# KiCad board kup-lulz.kicad_pcb (continued)
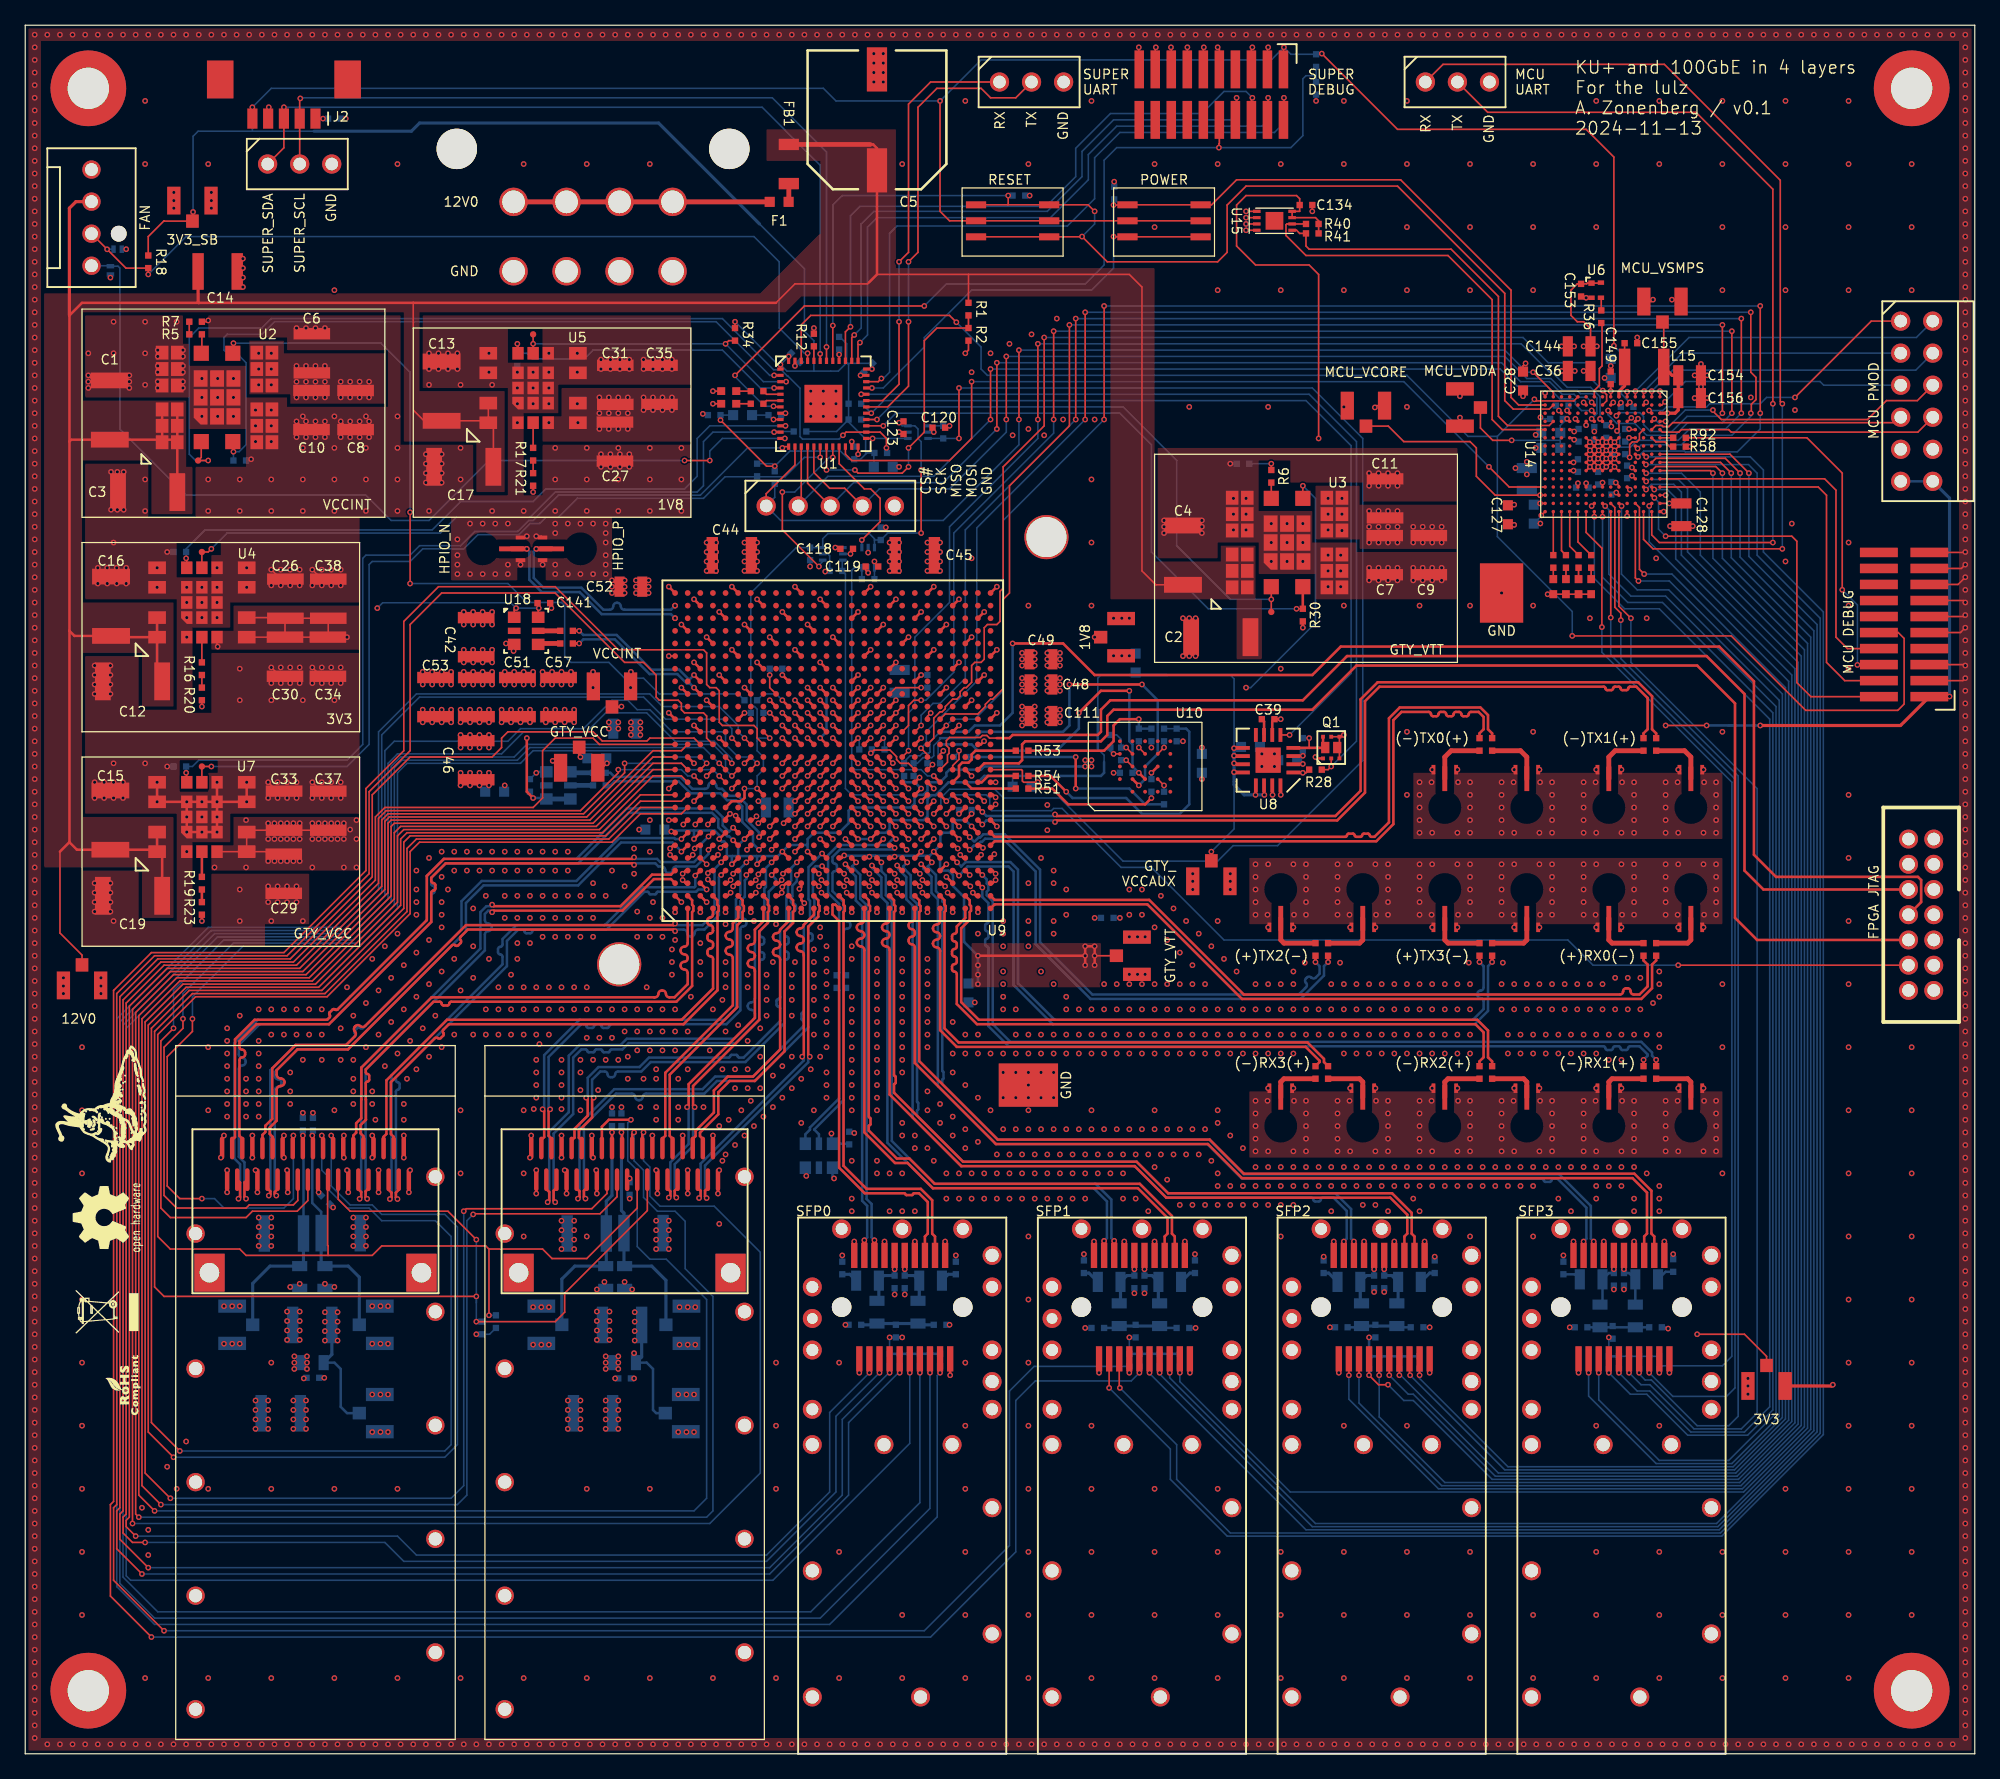
[diagram p0: board, top side]
## Routing (per net, layer and track width the routed paths; a pad name or vN(x,y) marks a point on that pad's centre or on a via; arc(x,y) is an arc through that point) (continued)
  Top w0.125: 6.15,68.4 v1(6.75,69) ; U1.35 v1(66.2,109.25) ; v1(125.95,102) 125.95,102.05 U14.K6 ; v1(125.95,102) U14.G10 ; v1(125.95,102) 126.25,101.7 ; v1(125.95,103.3) 125.95,103.35 U14.H6 v1(124,103.3) U14.K8 U14.H10 v1(125.3,102) ; v1(125.95,103.3) 126.25,103 ; v1(125.95,103.3) U14.G8 ; C48.2 81.9,84.25 v1(82,84.25) ; C48.2 81.9,85.25 v1(82,85.25) ; C48.2 v1(82,84.75) ; D2.1 v1(54.5,107) ; J40.2 v1(39.25,94.25) ; J33.1 v1(123.1,30.2) ; v1(20.5,49) 20.4,48.9 J15.32 ; 57.65,74 v1(57.95,74.3) ; C49.2 81.9,86.25 v1(82,86.25) ; C49.2 v1(82,86.75) ; C49.2 81.9,87.25 v1(82,87.25) ; U1.47 v1(61,110) ; C28.2 118.7,110 v1(118.9,110.2) ; v1(153.75,90.25) 153.63,90.14 J4.11 ; J7.10 v1(111.3,30.2) ; J33.20 v1(122.7,40.6) ; v1(122.75,111.55) C144.2 v1(121.75,111.55) ; J41.17 89.56,135.2 v1(89.6,135.25) ; J15.20 v1(30,49) ; U9.AB13 72.5,79.23 v1(72.76,79.49) ; J33.10 v1(130.3,30.2) ; U14.F6 v1(125.95,103.95) ; v1(125.95,103.95) U14.G7 ; v1(125.95,103.95) 126.25,103.65 ; v1(125.95,103.95) U14.K10 v1(124,102) ; v1(125.95,103.95) 125.65,104.25 ; J41.3 98.44,135.19 v1(98.5,135.25) ; J40.2 39.65,96.4 v1(39.75,96.5) ; v1(125.3,102) 125.3,102.05 U14.K7 v1(124,103.95) ; v1(125.3,102) U14.F8 ; R7.1 14.4,113.5 v1(14.5,113.6) ; v1(120.65,91.9) 120.66,91.91 D8.1 D5.1 ; J41.9 94.64,135.12 v1(94.5,135.25) ; C127.2 117.95,98.95 v1(118,99) ; v1(80.25,77) 79.12,77 79.03,77.1 79.03,77.92 78.95,78 U9.AF12 ; v1(153.75,93.25) 153.18,92.67 J4.15 ; U9.C5 v1(54,70.5) ; 25.6,105 v1(25,105.6) ; J4.9 153.37,88.86 v1(153.75,89.25) ; J4.17 153.44,93.94 v1(153.75,94.25) ; J4.13 153.59,91.41 v1(153.75,91.25) ; D1.1 v1(54.5,108) ; J11.20 v1(65.7,40.6) ; R21.1 v1(40.25,100) ; C111.2 81.9,82.75 v1(82,82.75) ; C111.2 81.9,81.75 v1(82,81.75) ; C111.2 v1(82,82.25) ; J15.13 v1(25.6,44.5) ; U14.M6 122.6,104.3 v1(122.75,104.15) ; v1(38.1,88) 38.67,88 ; 45.5,77.9 v1(46.1,78.5) ; 23.35,85.5 v1(22.75,86.1) ; v1(125.95,102.65) 125.95,102.7 U14.J6 ; v1(125.95,102.65) U14.G9 ; v1(125.95,102.65) 126.25,102.35 ; 19.85,76.4 v1(19.25,77) ; 19.85,68.15 v1(19.25,68.75) ; 6.1,76.4 v1(5.5,77) ; 58.35,74 v1(58.1,73.75) ; v1(66.8,93.6) 66.6,93.8 C119.2 ; J7.11 v1(110.9,40.6) ; 23.35,93.25 v1(22.75,93.85) ; v1(121.75,109.6) C36.2 v1(122.8,109.6) ; v1(129,115.25) 128.85,115.1 TP17.2 ; U14.J7 v1(124.65,103.95) ; U14.F7 v1(124.65,102) U14.J10 U14.K9 v1(124,102.65) U14.G6 v1(125.3,103.95) U14.H7 ; J41.5 97.17,135.18 v1(97.25,135.25) ; J7.1 v1(104.1,30.2) ; U14.H8 v1(125.3,103.3) ; J9.10 v1(92.3,30.2) ; Q1.D2 104.15,79.58 ; C154.2 v1(133.3,109.25) ; C154.2 v1(132.8,110.15) ; C154.2 v1(132.3,109.25) ; 126.3,106.93 v1(126.45,107.09) ; J9.1 v1(85.1,30.2) ; v1(41.7,90.8) 41.6,90.9 C141.2 ; J41.15 90.83,135.22 v1(90.8,135.25) ; v1(113.7,105.9) TP26.2 ; J41.13 92.09,135.25 v1(92.1,135.25) ; v1(38.7,87.4) 38.75,87.45 U18.3 ; U14.K12 v1(123.7,100.7) ; 57.5,71.95 v1(57.2,71.65) ; J7.17 v1(106.1,40.6) ; J15.35 v1(18,49) ; U9.A21 v1(51,87) ; v1(153.75,85.25) 153.56,85.06 J4.3 ; U15.2 v1(96.75,121.75) ; U14.F12 126.3,100.5 v1(126.05,100.75) ; J11.17 v1(68.1,40.6) ; J9.11 v1(91.9,40.6) ; J7.20 v1(103.7,40.6) ; U14.N3 v1(121.54,106.46) ; 127.57,101.7 v1(127.33,101.94) ; U14.L4 v1(122.85,105.8) ; U14.K2 v1(123.5,107.1) ; U14.M10 v1(122.7,101.7) ; U9.W17 v1(69,82.5) ; J11.14 v1(70.5,40.6) ; J7.14 v1(108.5,40.6) ; v1(130.35,97.3) C128.2 v1(132.15,97.3) ; U6.2 v1(123.7,115.4) ; J15.26 25.2,48.95 v1(25.25,49) ; U14.D6 v1(127.1,104.3) ; 22.1,105 v1(21.5,105.6) ; U9.J6 v1(59.15,71.65) ; v1(40.5,96.5) 40.9,96.5 J14.2 ; U15.1 v1(96.75,122.25) ; 42.42,78.08 v1(41.8,78.7) ; J15.23 27.6,48.9 v1(27.5,49) ; U1.23 v1(65.5,104) ; U14.H9 v1(125.3,102.65) ; v1(93.4,135.25) 93.36,135.22 J41.11 ; U14.R1 v1(120.45,107.85) ; J4.5 153.68,86.33 v1(153.75,86.25) ; v1(41,94.25) J14.2 ; R12.2 v1(62.5,113) ; 20.1,93.25 v1(19.5,93.85) ; U15.3 v1(96.75,121.25) ; 124.4,103 v1(124.7,103.3) ; C149.2 v1(125.65,110) ; v1(106.96,106.71) 107.1,106.85 TP5.2 ; R2.2 74.75,111.25 v1(74.5,111) ; U14.J14 v1(124.14,98.89) ; v1(71.76,82.49) 71.5,82.23 U9.AA16 ; U14.A1 v1(129.55,108) ; TP26.2 v1(113.7,107.6) ; v1(19.3,130.5) 19.3,129.65 ; v1(130.5,115.25) 131.07,115.25 ; J4.19 153.72,95.22 v1(153.75,95.25) ; U14.C2 v1(128.46,107.11) ; v1(15.75,49) 15.6,48.85 J15.38 ; J9.17 v1(87.1,40.6) ; U14.J9 v1(124.65,102.65) ; C134.2 v1(102,122.25) ; v1(132.3,107.45) C156.2 v1(133.3,107.45) ; Q1.S2 104.15,79.92 ; Q1.S2 104.36,80.61 v1(104.5,80.75) ; Q1.S2 Q1.G2 ; U14.R15 v1(120.15,98.15) ; 5.4,108.85 v1(5,109.25) ; 20.1,85.5 v1(19.5,86.1) ; R20.1 v1(14,83) ; U14.A15 v1(129.85,98.45) ; J33.17 v1(125.1,40.6) ; J15.16 v1(28,44.5) ; U15.4 v1(96.75,120.75) ; J11.11 v1(72.9,40.6) ; U14.E1 v1(126.95,107.95) ; J15.19 v1(30.4,44.5) ; J9.14 v1(89.5,40.6) ; J33.14 v1(127.5,40.6) ; v1(87.25,78.75) U10.B3 ; J33.11 v1(129.9,40.6) ; J9.20 v1(84.7,40.6) ; v1(45,85.75) v1(45,84.5) ; v1(88.25,135.25) 88.25,133.53 ; 6.15,85.65 v1(6.75,86.25) ; C155.2 v1(127.75,112.25) ; J15.7 v1(20.8,44.5) ; 23.35,76.4 v1(22.75,77)
  Top w0.2: J11.1 v1(66.1,30.2) ; U9.E3 55.65,69 v1(55.9,69.25) ; U9.AC10 v1(74,75.5) ; U9.AF8 v1(77,73.5) ; U9.L26 v1(61,92.5) ; U9.F4 56.35,70 v1(56.1,69.75) ; U9.P16 v1(64,82.5) ; v1(15.2,77) v1(15.2,73.05) v1(12.8,73.05) v1(12.8,75.45) ; U9.AC8 v1(74,73.5) ; U9.P8 v1(64,73.5) ; U9.P4 64.65,70 v1(64.9,69.75) ; U9.R15 v1(66,81.5) ; v1(102.25,79) 102.36,78.89 Q1.S1 ; U9.AA2 71.35,68 v1(71.1,68.25) ; U9.M10 v1(62,75.5) ; U9.AC3 v1(73,69.5) ; U9.C15 v1(53,81.5) ; v1(52.9,71.25) 52.65,71 U9.B5 ; U9.AB3 72.65,69 v1(72.9,68.75) ; U9.N25 v1(63,91.5) ; C52.2 46.6,93 v1(46.5,93) ; C52.2 v1(46.5,92.5) ; C52.2 46.6,92 v1(46.5,92) ; v1(76.9,69.25) 76.65,69 U9.AF3 ; U9.AF21 v1(77,87.5) ; U9.N15 v1(63,81.5) ; U9.E8 55.5,74.15 v1(55.85,74.5) ; U9.V3 68.65,69 v1(68.9,68.75) ; v1(52.1,69.75) 52.35,70 U9.B4 ; v1(63.1,68.25) 63.35,68 U9.N2 ; U9.T16 v1(67,82.5) ; U9.D22 v1(54,88.5) ; v1(62.9,69.75) 62.65,70 U9.M4 ; U9.R24 v1(66,90.5) ; v1(62.9,68.75) 62.65,69 U9.M3 ; U9.K24 v1(60,90.5) ; U9.J17 v1(59,83.5) ; U9.R13 v1(66,78.5) ; U9.R2 65.35,68 v1(65.1,68.25) ; U9.Y3 70.65,69 v1(70.9,68.75) ; U9.AE2 75.35,68 v1(75.1,68.25) ; U9.F21 v1(56,87.5) ; U9.N1 v1(63.5,66.7) ; v1(60.1,73.75) 60.35,74 U9.K8 ; U9.B23 v1(52,89.5) ; v1(66.9,69.75) 66.65,70 U9.T4 ; U9.L1 v1(61.5,66.7) ; U9.V20 v1(69,86.5) ; U9.AB8 v1(73,73.5) ; U9.G13 v1(57,78.5) ; U9.N11 v1(63,76.5) ; v1(53.05,71.75) 53.3,72 U9.C6 ; U9.T14 v1(67,80.5) ; v1(73.9,71.75) 73.65,72 U9.AC6 ; U9.W6 v1(69.85,71.65) ; U9.AE10 v1(76,75.5) ; U9.E19 v1(55,85.5) ; U9.W2 69.35,68 v1(69.1,68.25) ; U9.AB23 v1(73,89.5) ; 54.45,74 v1(54.1,73.65) ; J15.4 v1(18.4,44.5) ; U9.L6 v1(61,71.5) ; v1(99.5,82) C39.2 98.83,81.83 U8.6 ; v1(50.1,44.4) J16.13 ; U9.L15 v1(61,81.5) ; U9.V25 v1(69,91.5) ; U9.V12 v1(69,77.5) ; U9.B3 52.35,69 v1(52.1,69.25) ; U9.AD10 v1(75,75.5) ; U9.T26 v1(67,92.5) ; U9.AF26 v1(77,92.5) ; U9.U1 v1(67.5,66.7) ; U9.R11 v1(66,76.5) ; v1(42.5,49) J16.35 ; U9.C25 v1(53,91.5) ; U9.J3 59.7,69 v1(59.95,69.25) ; U9.F11 v1(56,76.5) ; v1(75.99,80.26) 75.73,80 U9.AE14 ; U9.V4 68.65,70 v1(68.9,69.75) ; U9.L8 v1(61,73.5) ; U9.AC1 v1(73.5,66.7) ; U9.R1 v1(65.5,66.7) ; U9.U3 67.35,69 v1(67.1,69.25) ; U9.A2 v1(52,67.5) ; U9.R3 65.35,69 v1(65.1,69.25) ; U9.F16 v1(57,82.5) ; v1(55.1,71.8) 55.3,72 U9.E6 ; v1(54.9,71.25) 54.65,71 U9.D5 ; U9.AC25 v1(74,91.5) ; v1(64.9,68.75) 64.65,69 U9.P3 ; U9.K4 60.3,70 v1(60.05,69.75) ; U9.N8 v1(63,73.5) ; J11.10 v1(73.3,30) ; U9.G3 57.65,69 v1(57.9,69.25) ; U9.F3 56.35,69 v1(56.1,68.75) ; U9.AC2 73.35,68 v1(73.1,68.25) ; v1(69.1,69.25) 69.35,69 U9.W3 ; U9.U17 v1(68,83.5) ; U9.P12 v1(64,77.5) ; U9.T12 v1(67,77.5) ; U9.D12 v1(54,77.5) ; U9.K14 v1(60,80.5) ; v1(76.9,69.75) 76.65,70 U9.AF4 ; U9.J1 v1(59.5,66.7) ; v1(75.9,71.8) 75.7,72 U9.AE6 ; U9.R6 v1(65,72.5) ; U9.U11 v1(68,76.5) ; U9.B18 v1(52,84.5) ; U9.U6 v1(68,72.5) ; U9.N17 v1(63,83.5) ; v1(51,82.5) U9.A16 ; v1(45.3,44.4) J16.7 ; U9.L2 61.5,67.66 v1(61.74,67.42) ; U9.N13 v1(63,78.5) ; J16.26 v1(49.7,49) ; U9.AA3 71.35,69 v1(71.1,69.25) ; U9.V14 v1(69,80.5) ; U9.V10 v1(69,75.5) ; U9.AE19 v1(76,85.5) ; R30.2 v1(101.25,89.25) ; J16.32 v1(44.9,49) ; U9.J2 59.7,68 v1(59.95,68.25) ; U9.R17 v1(66,83.5) ; U9.F26 v1(56,92.5) ; v1(54.5,49) J16.20 ; U9.AA6 v1(72,72.5) ; U9.AF10 76.7,76 v1(76.9,75.8) ; U9.W22 v1(70,88.5) ; U9.T10 v1(67,75.5) ; U9.AE1 v1(75.5,66.7) ; U9.K3 60.3,69 v1(60,68.7) ; U9.G2 57.65,68 v1(57.9,68.25) ; U9.AE5 v1(75.75,71.25) ; U9.AA8 v1(72,73.5) ; U9.AA9 v1(72,75.5) ; U9.V16 v1(69,82.5) ; U9.AD5 74.35,71 v1(74.1,71.25) ; U9.M16 v1(62,82.5) ; J16.38 v1(40.1,49) ; U9.H20 v1(58,86.5) ; U9.P10 v1(64,75.5) ; U9.Y19 v1(71,85.5) ; U9.AD4 v1(74.85,69.65) ; v1(51.1,71.75) 51.35,72 U9.A6 ; U9.C10 v1(53,75.5) ; U9.E1 v1(55.5,66.7) ; v1(51.1,71.25) 51.35,71 U9.A5 ; 53.45,74 v1(53.1,73.65) ; R23.1 v1(14,66) ; U9.G23 v1(57,89.5) ; U9.R14 v1(66,80.5) ; U9.K19 v1(60,85.5) ; U9.R8 v1(66,73.5) ; U9.A8 v1(51,74) ; v1(76.9,75.25) 76.65,75 U9.AF9 ; U9.N20 v1(63,86.5) ; U9.G1 v1(57.5,66.7) ; U9.U18 v1(68,84.5) ; U9.AC9 v1(73,74.5) ; U9.M12 v1(62,77.5) ; J16.19 v1(54.9,44.4) ; v1(55.9,68.25) 55.65,68 U9.E2 ; U9.AA26 v1(72,92.5) ; v1(61.35,68.55) 61.5,68.7 U9.L3 ; U9.K16 v1(60,82.5) ; v1(66.9,68.75) 66.65,69 U9.T3 ; J16.1 v1(40.5,44.4) ; U9.U15 v1(68,81.5) ; v1(17.55,77) v1(17.55,75.45) v1(15.2,75.45) v1(10.45,75.45) v1(10.45,77) ; U9.P14 v1(64,80.5) ; U9.AA1 v1(71.5,66.7) ; U9.AE24 v1(76,90.5) ; 54.4,69 v1(54.1,69.3) ; v1(52.5,44.4) J16.16 ; U9.N3 63.35,69 v1(63.1,69.25) ; U9.M8 v1(62,73.5) ; U9.J8 v1(59,73.5) ; U9.U13 v1(68,78.5) ; U9.L17 v1(61,83.5) ; v1(67.1,68.25) 67.35,68 U9.U2 ; U9.Y4 70.65,70 v1(70.9,69.75) ; U9.C1 v1(53.5,66.7) ; U9.M14 v1(62,80.5) ; U9.AD17 v1(75,83.5) ; U9.N6 v1(63,72.5) ; v1(42.9,44.4) J16.4 ; U9.T13 v1(67,78.5) ; U9.AD3 74.65,69 v1(74.9,68.75) ; v1(56.3,74.35) 56.5,74.15 U9.F8 ; U9.L13 v1(61,78.5) ; U9.P13 v1(64,78.5) ; U9.A26 v1(51,92.5) ; U9.W8 v1(70,73.5) ; U9.L21 v1(61,87.5) ; U9.U8 v1(68,73.5) ; v1(54.1,69.8) 54.3,70 U9.D4 ; U9.AC20 v1(74,86.5) ; U9.M23 v1(62,89.5) ; U9.W1 v1(69.5,66.7) ; U9.T21 v1(67,87.5) ; U9.AF5 v1(76.8,71.3) ; U9.R19 v1(66,85.5) ; U9.W11 v1(70,76.5) ; U9.B8 v1(52.15,73.65) ; U9.A1 v1(51.5,66.7) ; U9.A11 v1(51,76.5) ; U9.T8 v1(67,73.5) ; U9.L11 v1(61,76.5) ; U9.V8 v1(69,73.5) ; J16.23 v1(52.1,49) ; U9.AB4 v1(73,70.5) ; 58.4,69 v1(58.15,68.75) ; U9.K12 v1(60,77.5) ; U9.AF11 v1(76.9,77) ; 58.4,70 v1(58.1,69.7) ; U9.B13 v1(53,78.5) ; U9.AF16 v1(77,82.5) ; U9.Y8 v1(71,73.5) ; J15.1 v1(16,44.5) ; U9.C2 v1(54,67.5)
  Top w0.25: TP11.2 143.15,29.15 v1(143.25,29.25) ; C154.2 v1(132.8,108.35)
  In1.Cu w0.125: 27.4,44.5 v1(25.6,44.5) ; 27.4,44.5 v1(30.4,44.5) 31.27,44.5 J35.1 ; 27.4,44.5 v1(28,44.5) ; v1(25.6,44.5) 25.25,44.5 24.5,45.25 22,45.25 21.25,44.5 v1(20.8,44.5) 20.5,44.8 18.7,44.8 v1(18.4,44.5) ; v1(25.6,44.5) 25.6,43.2 ; v1(101.5,66.5) 100.5,66.5 v1(100.5,65.5) ; v1(101.5,66.5) v1(101.5,70.5) v1(97.5,70.5) v1(97.5,66.5) 98.5,66.5 v1(98.5,65.5) 97.75,64.75 v1(88.75,64.75) v1(87.5,64.75) ; v1(101.5,66.5) v1(104,66.5) ; v1(121.9,39.5) 121.9,39.8 v1(122.7,40.6) J10.1 ; 73.5,73.5 U9.AC6 73.75,71.75 v1(73.9,71.75) ; 73.5,73.5 v1(74,73.5) ; 73.5,73.5 70.5,73.5 ; J34.1 J8.1 J8.1 ; J34.1 J34.1 J12.1 J12.1 100.38,39.28 J12.1 ; J34.1 J34.1 81.38,39.28 J34.1 ; v1(34.75,85.75) v1(33.75,85.75) v1(31.5,85.75) v1(31.5,84.75) ; v1(34.75,85.75) v1(34.75,84.75) ; v1(34.75,85.75) v1(37,85.75) ; 74.85,70.5 v1(74.1,71.25) 73.9,71.45 v1(73.9,71.75) ; 74.85,70.5 v1(74.85,69.65) 74.85,68.5 v1(75.1,68.25) 75.1,67.1 v1(75.5,66.7) ; 74.85,70.5 75,70.5 v1(75.75,71.25) ; v1(71,85.5) U9.Y19 ; 114.62,24.53 114.6,24.5 J12.1 ; 114.62,24.53 J12.1 109.62,4.5 ; 114.62,24.53 J12.1 112.53,41.6 ; v1(75.75,71.25) 75.9,71.4 v1(75.9,71.8) 75.9,72.4 v1(77,73.5) 77,75.5 ; v1(75.75,71.25) 75.8,71.3 v1(76.8,71.3) 76.8,69.85 v1(76.9,69.75) v1(76.9,69.25) ; v1(12.8,74.25) v1(14,74.25) v1(15.2,74.25) ; v1(12.8,74.25) v1(12.8,73.05) ; v1(12.8,74.25) v1(12.8,75.45) ; 68,91 U9.V25 v1(69,91.5) ; 68,91 66.5,91 ; 68,91 U9.AC25 v1(74,91.5) ; 76.62,24.47 J8.1 71.62,4.5 ; 76.62,24.47 J8.1 74.53,41.6 ; 76.62,24.47 76.6,24.5 J8.1 ; v1(40.25,85.75) v1(38,85.75) ; v1(38,85.75) v1(37,85.75) ; v1(38,85.75) v1(38,84.75) v1(43.25,84.75) ; v1(6.75,69) v1(6.75,68.25) v1(6.75,66.75) 7.75,65.75 13.75,65.75 v1(14,66) 17.75,66 v1(19.25,67.5) v1(20,67.5) ; v1(81,81.75) v1(81,84.25) v1(81,85.25) ; v1(50,42.25) v1(51,42.25) v1(51,40.75) ; v1(50,42.25) v1(50,40.75) v1(50,40) ; v1(50,42.25) 50,44.3 v1(50.1,44.4) ; J12.1 J12.1 111.3,40.6 v1(110.9,40.6) 111.7,39.8 v1(111.7,39.4) ; J12.1 v1(103.7,40.6) 102.9,39.8 v1(102.9,39.4) ; J12.1 101.5,42.8 101.5,47.5 ; v1(133,78) 133.05,77.95 v1(133.05,77) v1(134,77) v1(134,73) ; v1(41.5,35.4) v1(40.25,35.4) ; v1(41.5,35.4) 44.95,35.4 v1(45.3,35.05) ; v1(41.5,35.4) 41.5,39 v1(42.5,40) v1(42.5,40.75) v1(42.5,42.25) ; v1(95.75,99.5) 95.5,99.75 v1(95.5,102.25) ; v1(95.75,99.5) v1(95.75,97) v1(96.75,97) 96.75,97.5 ; v1(95.75,99.5) v1(96.75,99.5) 96.75,97.5 ; v1(11.77,123.75) 9.96,125.56 J13.1 ; 72,92 U9.AF26 v1(77,92.5) 79.5,90 v1(86.25,90) 89.5,90 ; 72,92 66,92 ; 72,92 U9.AA26 v1(72,92.5) 72.5,93 v1(72.5,93.75) ; v1(5,108.75) v1(8.25,108.75) v1(10.5,108.75) v1(10.5,111.25) ; v1(23.5,77) v1(25,77) ; v1(23.5,77) 23.5,76.9 ; v1(23.5,77) v1(22.75,77) ; v1(96.75,122.25) 96.75,123 95.15,124.6 v1(86.3,124.6) 79.6,124.6 ; v1(96.75,122.25) 97.19,122.69 101.56,122.69 v1(102,122.25) ; v1(96.75,122.25) v1(96.75,120.75) ; J38.5 J38.11 ; J38.5 143.69,98.45 132.15,98.45 ; J38.5 144.02,108 132.8,108 ; J10.1 119.38,39.28 J10.1 119.38,30.12 ; J10.1 J10.1 ; v1(132.8,108.35) 133.3,108.85 v1(133.3,109.25) v1(133.3,107.45) ; v1(132.8,108.35) v1(132.8,110.15) ; v1(132.8,108.35) 132.8,108 ; v1(19.25,26.5) v1(19.25,28) ; v1(19.25,26.5) 19.35,26.5 ; v1(19.25,26.5) v1(19.25,25.75) ; v1(19.25,28) 19.25,28.5 20,29.25 23.5,29.25 23.7,29.45 v1(23.7,29.8) 26.4,32.5 v1(27.5,32.5) ; v1(19.25,28) v1(18.25,28) v1(18.25,26.5) v1(18.25,25.75) ; v1(51.85,35.4) 51.81,35.44 46.69,35.44 v1(46.3,35.05) ; 66,92 53,92 ; 66,92 U9.T26 v1(67,92.5) 67,93.3 ; v1(126.95,107.95) 126.45,107.45 v1(126.45,107.09) 126.84,106.7 128.05,106.7 v1(128.46,107.11) 129.11,107.11 129.5,107.5 129.5,107.95 v1(129.55,108) 132.3,108 ; v1(66.1,30.2) 64.17,30.2 J8.1 ; v1(20.25,86.1) v1(21.75,86.1) ; v1(20.25,86.1) v1(19.5,86.1) ; v1(20.25,86.1) 20.25,86 ; v1(71.76,82.49) 71.76,82.76 72,83 ; v1(53,91.5) 53,89 ; v1(53,91.5) 53,92 ; v1(53,91.5) U9.C25 59.5,91 v1(60,90.5) 60.5,91 66.5,91 ; 53,89 U9.B23 v1(52,89.5) 51.5,89.5 51.5,85.75 52,85.25 v1(52,84.5) 52,83.5 v1(51,82.5) 52,81.5 v1(53,81.5) 53,79.75 53.75,79 56.5,79 v1(57,78.5) 57,77 ; 53,89 54.5,89 ; v1(22.25,104.35) 22.25,104.25 ; v1(22.25,104.35) v1(23.75,104.35) ; v1(22.25,104.35) v1(21.5,104.35) ; 25.6,43.2 25.5,43.3 v1(24.4,43.3) ; 25.6,43.2 25.6,42.9 v1(26,42.5) v1(26,40.25) ; v1(46.25,81.25) 46.25,79.95 46.1,79.8 v1(46.1,78.5) ; v1(46.25,81.25) 44.75,81.25 41.65,78.15 ; v1(46.25,81.25) v1(46.25,81.75) ; v1(124.65,103.95) v1(124.65,102) ; v1(73.5,66.7) 73.1,67.1 v1(73.1,68.25) 72.9,68.45 v1(72.9,68.75) 73.1,68.95 73.1,69.25 72.9,69.45 72.9,70.85 73.03,70.97 ; v1(18.25,106.5) 17.75,106 v1(16.5,106) ; v1(18.25,106.5) v1(18.25,104) ; v1(18.25,106.5) v1(19.5,106.5) v1(19.5,104) ; v1(53.1,73.65) 53,73.75 v1(53,75.5) 52,76.5 v1(51,76.5) U9.A11 54,77 ; v1(53.1,73.65) v1(52.15,73.65) 51.8,74 v1(51,74) ; v1(53.1,73.65) v1(54.1,73.65) 54.95,74.5 v1(55.85,74.5) 56.15,74.5 v1(56.3,74.35) 56.85,74.35 57,74.5 58,74.5 ; v1(14,83) 17.65,83 v1(19.5,84.85) v1(20.25,84.85) ; v1(14,83) 12.8,84.2 ; v1(14,83) 11.25,80.25 v1(11.25,78.25) 10,77 ; v1(97.5,69.5) 97.25,69.75 v1(95.5,69.75) v1(92.53,69.75) ; v1(125.95,102) 125.95,100.85 v1(126.05,100.75) ; v1(125.95,102) v1(125.95,103.95) v1(124,103.95) ; v1(125.95,102) v1(124,102) v1(124,103.95) ; v1(130.35,97.3) 130.35,98.4 130.4,98.45 ; v1(46.38,103) v1(47.88,103) ; v1(46.38,103) v1(45.62,103) ; v1(46.38,103) 46.38,102.9 ; v1(45.62,110.5) v1(46.38,110.5) ; v1(46.38,110.5) 46.38,110.4 ; v1(46.38,110.5) v1(47.88,110.5) ; 62,72.5 v1(63,72.5) 62.67,72.17 62.67,69.97 v1(62.9,69.75) 62.9,69.45 v1(63.1,69.25) 63.1,68.95 v1(62.9,68.75) 62.9,68.45 v1(63.1,68.25) 63.1,67.1 v1(63.5,66.7) ; 62,72.5 v1(61,71.5) ; 62,72.5 v1(62,73.5) ; v1(46.38,109.75) v1(47.88,109.75) ; v1(46.38,109.75) 46.38,109.65 ; v1(46.38,109.75) v1(45.62,109.75) 44,109.75 v1(43.75,109.5) v1(39,109.5) ; J35.1 J35.1 ; J35.1 33.1,35.63 33.1,41.6 32.5,42.2 J35.1 ; J35.1 29.2,35.03 v1(28.75,35.47) v1(28.75,32.5) v1(28.75,28.47) v1(28.75,25.5) ; 74.5,87 U9.AF21 v1(77,87.5) ; 74.5,87 v1(74,86.5) ; 74.5,87 68.5,87 ; v1(56.1,69.75) 55.95,69.6 55.95,69.5 ; v1(103.25,95) v1(104.25,95) v1(104.25,92.5) 104.75,93 105.5,93 ; v1(103.25,95) v1(103.25,92.5) ; v1(103.25,95) 101.25,95 ; v1(55.9,68.25) 55.5,67.85 55.5,67.4 ; v1(55.9,68.25) 56.1,68.45 v1(56.1,68.75) 55.9,68.95 v1(55.9,69.25) 55.89,69.24 54.16,69.24 v1(54.1,69.3) ; v1(55.9,68.25) v1(57.9,68.25) ; 41.65,78.15 41.65,78.55 v1(41.8,78.7) ; 41.65,78.15 41.25,77.75 v1(40.5,77.75) ; v1(44,26.5) 44.1,26.5 ; v1(44,26.5) v1(44,28) ; v1(44,26.5) v1(44,25.75) ; v1(14.5,113.6) 14.75,113.85 14.75,116.25 ; v1(14.5,113.6) 20.9,113.6 v1(21.5,113) v1(23.75,113) 23.25,112.5 21,112.5 20.75,112.25 20.75,106.35 v1(21.5,105.6) v1(22.25,105.6) ; v1(14.5,113.6) 12.9,113.6 12.5,113.2 v1(12.5,111.25) v1(12.5,108.25) ; v1(38.1,88) 38.9,88 v1(41.7,90.8) ; v1(71.5,66.7) 71.1,67.1 v1(71.1,68.25) 70.9,68.45 v1(70.9,68.75) 71.1,68.95 v1(71.1,69.25) 70.9,69.45 v1(70.9,69.75) 70.75,69.75 U9.Y4 70.5,71 v1(69.85,71.65) U9.W6 69.5,73.5 ; v1(12.8,92.45) v1(14,92.45) ; v1(12.8,92.45) v1(12.8,91.25) v1(12.8,90.05) v1(12.8,88.5) 12.8,84.2 ; v1(12.8,92.45) v1(10.45,92.45) v1(10.45,94) ; v1(14,92.45) v1(14,91.25) v1(14,90.05) ; v1(14,92.45) v1(15.2,92.45) ; 54.5,106.75 v1(54.5,107) v1(54.5,108) ; 54.5,106.75 54.5,106.25 ; 54.5,106.75 53.95,106.2 v1(53.7,106.2) ; v1(12.8,73.05) v1(12.8,71.5) 12.8,70.8 12.75,70.75 ; v1(12.8,73.05) v1(14,73.05) v1(15.2,73.05) ; v1(121.54,106.46) 122.18,107.1 v1(123.5,107.1) ; v1(121.54,106.46) 121.54,106.76 v1(120.45,107.85) ; v1(121.54,106.46) 121,105.92 v1(120.09,105.92) 119.7,105.54 v1(119.7,104.54) ; v1(47.5,93) v1(47.5,92) ; v1(47.5,93) 47.5,93.5 47.75,93.75 51.25,93.75 51.3,93.7 51.3,92.8 v1(51,92.5) U9.A26 53,92 ; v1(47.5,93) v1(46.5,93) v1(46.5,92) ; 90.62,4.5 J34.1 95.62,24.53 ; v1(6.5,92.75) 6.5,92.65 ; v1(6.5,92.75) v1(8,92.75) ; v1(6.5,92.75) v1(5.75,92.75) ; v1(46.25,81.75) v1(47,81.75) v1(47,81.25) ; v1(46.25,81.75) 45.75,81.75 45,82.5 v1(45,84.5) v1(47.97,84.5) 47.97,85.72 v1(48,85.75) ; v1(62.25,108) v1(62.25,106) ; v1(62.25,108) 61.65,108 61,108.65 v1(61,110) 61,111.5 v1(62.5,113) ; v1(62.25,108) v1(64.25,108) ; v1(62.25,106) 62,106.25 v1(60.25,106.25) 54.5,106.25 ; v1(62.25,106) v1(64.25,106) ; v1(74,75.5) v1(76,75.5) 76.25,75.25 v1(76.9,75.25) ; v1(74,75.5) U9.AC10 72.83,76 72.5,76.33 ; v1(74,75.5) v1(73,74.5) v1(73,73.5) ; 54.5,89 v1(54,88.5) ; 54.5,89 U9.AB23 v1(73,89.5) 73.5,90 U9.AE24 v1(76,90.5) ; 58.55,71.1 58.55,70 58.25,69.7 v1(58.1,69.7) 57.9,69.5 v1(57.9,69.25) 58.15,69 v1(58.15,68.75) 57.9,68.5 v1(57.9,68.25) ; 58.55,71.1 58.45,71 57.5,71 57.2,71.3 v1(57.2,71.65) 57.17,71.62 56.88,71.62 56.75,71.75 55.1,71.75 54.9,71.55 v1(54.9,71.25) 54.4,70.75 53.9,70.75 ; 58.55,71.1 58.95,71.5 59,71.5 59.47,71.97 60.53,71.97 v1(61,71.5) ; TP8.5 68.88,97.88 v1(68.2,97.2) 67.88,97.2 65.78,95.1 v1(65.4,95.1) 67,93.5 67,93.3 ; v1(121,66.5) 120,66.5 v1(120,65.5) ; v1(121,66.5) v1(121,70.5) v1(117,70.5) v1(117,66.5) ; v1(121,66.5) v1(123.5,66.5) ; v1(92.75,87) 86.28,87 v1(86.25,87.03) 84.47,85.25 v1(82,85.25) ; 60.1,73.5 59.45,73.5 59.22,73.72 ; 60.1,73.5 v1(60.1,73.75) ; 60.1,73.5 62.75,73.5 ; v1(69,86.5) 68.5,87 ; 68.5,87 57.5,87 ; v1(119,102.4) 118.5,101.9 v1(118.1,101.9) 118,101.8 v1(118,99) ; v1(119,102.4) 122,102.4 v1(122.7,101.7) ; v1(119,102.4) v1(119,101.4) ; v1(60,85.5) U9.K19 ; 66.5,91 v1(66,90.5) ; v1(124,103.95) 122.95,103.95 v1(122.75,104.15) 122.34,104.56 122.34,105.29 v1(122.85,105.8) 123.5,106.45 v1(123.5,107.1) ; v1(5.5,77) v1(6.25,77) ; v1(6.25,77) 6.25,76.9 ; v1(6.25,77) v1(7.75,77) 10,77 ; v1(67.25,132.5) v1(67.25,133.25) ; v1(67.25,133.25) 67.35,133.25 ; v1(67.25,133.25) v1(67.25,134.75) ; v1(14,109) v1(14,106) v1(16.5,106) ; v1(14,109) v1(16.5,109) v1(16.5,106) ; v1(14,109) 12.75,109 v1(12.5,108.75) ; v1(99,79.25) 99,81.75 99.25,82 v1(99.5,82) ; v1(99,79.25) v1(99,78.25) v1(98,78.25) v1(98,79.25) v1(99,79.25) ; v1(99,79.25) 99.5,79.75 101.5,79.75 v1(102.25,79) ; v1(57.95,74.3) 57.95,73.9 v1(58.1,73.75) ; v1(57.95,74.3) 57.95,74.45 58,74.5 ; v1(57.95,74.3) 57.95,75.35 v1(58.1,75.5) ; v1(120,52.75) 120,51.75 v1(121,51.75) v1(121,47.75) ; v1(95.75,98.25) 95.25,97.75 v1(90.25,97.75) v1(90.25,96.75) 89.5,96 89.5,90 ; v1(68,132.5) v1(68,133.25) ; v1(68,133.25) v1(68,134.75) 80.04,134.75 J3.3 ; v1(68,133.25) 68.1,133.25 ; v1(122.4,33.8) 122.4,30.9 v1(123.1,30.2) 119.45,30.2 119.38,30.12 ; 47.9,44.8 v1(47.9,44) ; v1(18.5,42.5) 18.4,42.6 v1(18.4,44.5) ; v1(18.5,42.5) v1(19.5,42.5) v1(19.5,41) ; v1(18.5,42.5) v1(18.5,41) v1(18.5,40.25) ; v1(53,25.5) v1(53,28.47) 53,32.32 v1(53.1,32.43) v1(53.1,35.4) ; v1(23.5,92.6) 23.5,92.5 ; v1(23.5,92.6) v1(22.75,92.6) ; v1(23.5,92.6) v1(25,92.6) ; 79.6,124.6 v1(79.6,123.5) ; 79.6,124.6 79.6,124.7 77.1,127.2 ; v1(31.75,103) 29.5,103 28.15,104.35 v1(27.25,104.35) v1(25.75,104.35) ; v1(31.75,103) v1(31.75,100.75) ; v1(31.75,103) v1(33,103) v1(33,100.75) ; J35.1 12.3,31.73 12.3,40.03 J35.1 13.5,48.8 13.7,49 ; J35.1 15.47,32.5 v1(15.75,32.5) ; J35.1 J35.1 ; v1(121.75,109.6) v1(121.75,111.55) v1(122.75,111.55) 122.75,114.45 v1(123.7,115.4) ; v1(121.75,109.6) v1(122.8,109.6) 123.21,110.01 124.45,110.01 ; v1(121.75,109.6) 119.98,109.6 119.38,110.2 v1(118.9,110.2) ; v1(64.25,106) 65.5,104.75 v1(65.5,104) ; v1(64.25,106) v1(64.25,108) ; v1(120,78) 120.05,77.95 v1(120.05,77) v1(121,77) v1(121,73) ; v1(144.5,31) 143.25,29.75 v1(143.25,29.25) ; 69.5,73.5 70.5,73.5 ; 69.5,73.5 65,73.5 ; 70.5,73.5 70.5,74.75 70.25,75 69.5,75 v1(66,78.5) v1(66,80.5) v1(66,81.5) v1(68,83.5) ; v1(43.5,40.75) v1(43.5,42.25) v1(42.5,42.25) ; v1(43.5,40.75) 43.6,40.75 ; v1(43.5,40.75) v1(43.5,40) ; v1(61,83.5) v1(64,80.5) v1(64,78.5) v1(63,78.5) v1(61,76.5) ; v1(12.8,75.45) v1(10.45,75.45) v1(10.45,77) 10,77 ; v1(12.8,75.45) v1(14,75.45) v1(15.2,75.45) ; v1(15.2,90.05) v1(15.2,91.25) v1(15.2,92.45) ; v1(39,109.5) v1(36.75,109.5) ; v1(39,109.5) v1(39,105.5) 39,101.25 v1(40.25,100) 43.62,100 v1(45.62,102) v1(46.38,102) ; v1(36.75,109.5) v1(36.75,111) v1(32,111) ; v1(36.75,109.5) 36.5,109.75 v1(32,109.75) ; v1(43,25.75) v1(43,26.5) v1(43,28) v1(44,28) ; v1(25.4,129.6) 23.74,127.94 22.34,127.94 ; v1(98.75,94.5) 97.75,93.5 97.75,83.75 v1(99.5,82) ; v1(98.75,94.5) v1(98.75,97.5) ; v1(98.75,94.5) v1(101.25,94.5) 101.25,95 ; v1(64.9,69.75) 65.1,69.55 v1(65.1,69.25) 64.9,69.05 v1(64.9,68.75) 65.1,68.55 v1(65.1,68.25) 65.5,67.85 v1(65.5,66.7) v1(67.5,66.7) ; v1(25.75,104.35) 25.75,104.25 ; v1(25.75,104.35) v1(25,104.35) ; v1(66.8,93.6) 66.8,93.5 67,93.3 ; v1(118,52.75) 118,51.75 v1(117,51.75) v1(117,47.75) ; v1(104,47.75) v1(101.5,47.75) ; v1(104,47.75) v1(104,51.75) 105,51.75 v1(105,52.75) ; v1(104,47.75) v1(108,47.75) ; v1(101.5,47.75) v1(101.5,51.75) 100.5,51.75 v1(100.5,52.75) ; v1(101.5,47.75) v1(97.5,47.75) v1(97.5,51.75) 98.5,51.75 v1(98.5,52.75) ; v1(110.5,73) v1(110.5,70.5) ; v1(110.5,73) v1(110.5,77) v1(111.45,77) 111.5,77.05 v1(111.5,78) 107.5,82 104.5,82 ; v1(110.5,73) v1(114.5,73) ; v1(110.5,70.5) v1(110.5,66.5) ; v1(110.5,70.5) v1(114.5,70.5) v1(114.5,66.5) ; 133.64,15.19 133.62,15.18 ; v1(40.5,44.4) 40.5,43.73 J36.1 37.28,40.51 37.28,31.25 J36.1 J36.1 ; 12.8,84.2 12.6,84 v1(6.75,84) v1(6.75,85.5) v1(6.75,86.25) ; 59.22,73.72 58.45,74.5 58,74.5 ; 59.22,73.72 v1(59,73.5) ; v1(71.5,96) v1(71.5,93.75) v1(72.5,93.75) ; v1(54.9,44.4) 61.9,44.4 J8.1 ; v1(70.5,40.6) J8.1 68.5,40.6 v1(68.1,40.6) 68.1,38.2 68.9,37.4 v1(68.9,36.4) v1(69.7,36.4) ; 96.75,97.5 v1(98.75,97.5) ; v1(110.5,66.5) v1(108,66.5) ; v1(110.5,66.5) 111.5,66.5 v1(111.5,65.5) v1(111.5,52.75) 111.5,51.75 v1(110.5,51.75) v1(110.5,47.75) ; v1(60,68.7) 61.05,67.65 61.05,67.15 v1(61.5,66.7) 61.74,66.94 v1(61.74,67.42) 61.35,67.81 v1(61.35,68.55) ; v1(22.75,86.1) v1(23.5,86.1) ; v1(23.5,86.1) v1(25,86.1) ; v1(23.5,86.1) 23.5,86 ; v1(20.25,84.85) v1(21.75,84.85) ; v1(20.25,84.85) 20.25,84.75 ; 89.5,90 v1(92.75,90) ; v1(104,66.5) v1(104,70.5) v1(108,70.5) v1(108,66.5) ; v1(104,66.5) 105,66.5 v1(105,65.5) ; v1(98.75,97.5) v1(101.25,97.5) 101.25,95 ; v1(133,52.75) 133,51.75 v1(134,51.75) v1(134,47.75) v1(130,47.75) ; v1(123.5,66.5) v1(123.5,70.5) v1(127.5,70.5) ; v1(123.5,66.5) 124.5,66.5 v1(124.5,65.5) ; J34.1 v1(84.7,40.6) 83.9,39.8 v1(83.9,39.6) ; J34.1 J34.1 ; 67.25,117.5 64.75,117.5 ; 67.25,117.5 67.29,117.5 J3.3 ; 67.25,117.5 71,117.5 72,116.5 72,111 ; 54,77 v1(54,77.5) v1(53,78.5) ; 54,77 55.25,77 ; v1(72.76,79.49) 72.76,79.26 U9.AB13 72.5,76.33 ; v1(57,96) v1(57,93.75) ; v1(57,93.75) 56,92.75 v1(56,92.5) U9.F26 ; v1(57,93.75) v1(58,93.75) v1(58,96) ; v1(64.75,39.5) 64.75,39.65 v1(65.7,40.6) J8.1 ; v1(23.5,93.85) 23.5,93.75 ; v1(23.5,93.85) v1(25,93.85) ; v1(23.5,93.85) v1(22.75,93.85) ; v1(63,86.5) 62.5,87 U9.L21 v1(61,87.5) ; v1(51,40) v1(51,40.75) ; v1(51,40.75) 51.1,40.75 ; v1(19.25,77) v1(20,77) ; v1(20,77) 20,76.9 ; v1(20,77) v1(21.5,77) ; 14.75,116.25 v1(14.75,122.5) v1(14.75,123.75) 14.75,129.25 16.9,131.4 19,131.4 19.3,131.1 v1(19.3,130.5) 21.21,128.59 21.7,128.59 22.34,127.94 ; 14.75,116.25 v1(17.25,116.25) v1(17.25,118.5) ; v1(73.5,58) 75.05,59.55 v1(75.25,59.55) ; 53.9,70.75 53.4,71.25 v1(52.9,71.25) 53.05,71.4 v1(53.05,71.75) 52.8,72 U9.A6 51.25,71.75 v1(51.1,71.75) v1(51.1,71.25) ; 53.9,70.75 53.9,70 v1(54.1,69.8) 54.1,69.6 ; 102.3,32 103.4,33.1 v1(103.4,33.8) ; 102.3,32 J12.1 ; 102.3,32 v1(104.1,30.2) ; v1(12.5,108.25) v1(10.5,108.25) ; v1(12.5,108.25) 12.5,103.4 ; J3.3 85.5,132.5 v1(88.25,135.25) v1(89.6,135.25) v1(90.8,135.25) v1(92.1,135.25) v1(93.4,135.25) v1(94.5,135.25) v1(97.25,135.25) v1(98.5,135.25) 102.3,131.45 v1(102.3,131) 114.54,131 J39.3 ; v1(113.7,105.9) v1(113.7,107.6) 110.35,107.6 v1(109.5,106.75) 107,106.75 v1(106.96,106.71) ; v1(88.7,36.5) v1(87.9,36.5) 87.1,37.3 v1(87.1,40.6) 87.5,40.6 J34.1 v1(89.5,40.6) ; v1(27,40.25) v1(27,42.5) ; 12.5,103.4 10.7,101.6 v1(7.8,101.6) v1(7.8,98.6) 11.15,95.25 v1(11.25,95.25) 10.45,94.45 v1(10.45,94) ; 12.5,103.4 12.58,103.33 15.08,103.33 15.75,104 16.5,104 v1(17.9,102.6) ; v1(113.5,65.5) 113.5,66.5 v1(114.5,66.5) ; v1(126.5,65.5) 126.5,66.5 v1(127.5,66.5) ; J8.1 62.88,34 v1(65,34) ; 74,83 76.5,83 ; 74,83 U9.AD17 v1(75,83.5) ; 74,83 72,83 ; 76.5,83 76.5,80.77 v1(75.99,80.26) ; 76.5,83 v1(77,82.5) ; v1(123.5,73) v1(127.5,73) ; v1(123.5,73) v1(121,73) ; v1(123.5,73) v1(123.5,77) v1(124.45,77) 124.5,77.05 v1(124.5,78) ; v1(127.5,73) v1(127.5,70.5) ; v1(127.5,73) v1(127.5,77) v1(126.55,77) 126.55,77.95 v1(126.5,78) ; 73.03,70.97 73.8,71.75 v1(73.9,71.75) ; 73.03,70.97 73.03,70.53 v1(73,70.5) ; 51.3,109.05 51.3,108.95 52.25,108 52.25,106.25 ; v1(81,85.25) v1(82,85.25) ; v1(81,85.25) v1(81,87.25) ; v1(82,85.25) v1(82,84.25) v1(82,81.75) ; v1(82,85.25) v1(82,87.25) ; v1(40.25,109.5) v1(40.25,107) ; J8.1 73.8,29.5 v1(73.3,30) 73.25,30.05 v1(73.25,34) ; v1(108,66.5) 107,66.5 v1(107,65.5) ; v1(127.5,66.5) v1(127.5,70.5) ; v1(127.5,66.5) v1(130,66.5) ; 51.3,104.55 52.25,105.5 52.25,106.25 ; J34.1 95.62,24.53 ; 95.62,24.53 95.6,24.5 J34.1 ; 88.15,64.72 v1(88.15,61.78) ; v1(125.3,103.95) v1(125.3,102) ; v1(124.5,52.75) 124.5,51.75 v1(123.5,51.75) v1(123.5,47.75) ; v1(40.5,96.5) v1(39.75,96.5) 39.5,96.5 39.25,96.25 v1(39.25,94.25) v1(41,94.25) ; v1(42.5,42.25) 42.5,44 v1(42.9,44.4) ; 13.7,49 11,49 4.25,55.75 4.25,61.45 ; 13.7,49 v1(15.75,49) ; v1(22.75,75.75) v1(23.5,75.75) ; v1(23.5,75.75) v1(25,75.75) ; v1(23.5,75.75) 23.5,75.65 ; v1(44,28) 44,28.5 44.5,29 47.5,29 v1(48.25,29.75) 48.25,30.75 48.54,31.04 50.46,31.04 v1(51.85,32.43) ; v1(134,70.5) v1(134,66.5) 133,66.5 v1(133,65.5) ; v1(134,70.5) v1(130,70.5) v1(130,66.5) ; v1(134,70.5) v1(134,73) ; 54.5,106.25 52.25,106.25 ; v1(117,66.5) 118,66.5 v1(118,65.5) ; v1(117,66.5) v1(114.5,66.5) ; v1(49.75,109.75) 49.75,109.65 ; v1(49.75,109.75) v1(49,109.75) ; v1(49.75,109.75) v1(51.25,109.75) ; v1(19.5,40.25) v1(19.5,41) ; v1(19.5,41) 19.6,41 ; v1(5.5,84) v1(5.5,85.5) v1(5.5,86.25) ; 22.34,127.94 TP7.3 30.2,126 J1.5 ; v1(67,78.5) U9.T12 ; v1(99.5,82) 104.5,82 ; 130.4,98.45 132.15,98.45 ; 130.4,98.45 v1(129.85,98.45) ; 132.15,98.45 v1(132.15,97.3) ; v1(126.5,52.75) 126.5,51.75 v1(127.5,51.75) v1(127.5,47.75) ; v1(132.3,107.45) 132.3,107.95 ; 132.3,107.95 v1(132.3,109.25) ; 132.3,107.95 132.3,108 ; v1(131,52.75) 131,51.75 v1(130,51.75) v1(130,47.75) ; 132.3,108 132.8,108 ; v1(66,83.5) v1(69,80.5) ; 105.5,93 v1(106.5,93) v1(108.75,93) v1(110,93) v1(112.25,93) 113.25,92 v1(117,92) 120.55,92 v1(120.65,91.9) ; 105.5,93 105.5,99.5 v1(106.5,100.5) v1(108.75,100.5) ; v1(70,88.5) 70.5,89 71,89 ; v1(15.2,75.45) v1(17.55,75.45) v1(17.55,77) ; v1(15.2,75.45) v1(15.2,77) ; 77,75.5 77,75.7 v1(76.9,75.8) ; 77,75.5 77,76.9 v1(76.9,77) v1(80.25,77) 86.12,77 87.25,78.13 v1(87.25,78.75) 89.25,78.75 90.75,77.25 v1(93.25,77.25) ; v1(131,78) 131,77.05 v1(130.95,77) v1(130,77) v1(130,73) v1(134,73) ; v1(130,66.5) 131,66.5 v1(131,65.5) ; J10.1 130.3,40.6 v1(129.9,40.6) 130.6,39.9 v1(130.6,39.6) ; J10.1 133.4,39.5 ; v1(20,75.75) v1(21.5,75.75) ; v1(20,75.75) 20,75.65 ; v1(20,75.75) v1(19.25,75.75) ; 104.5,82 v1(104.5,80.75) ; v1(19.5,92.6) v1(20.25,92.6) ; v1(20.25,92.6) 20.25,92.5 ; v1(20.25,92.6) v1(21.75,92.6) ; J35.1 32.5,49 ; v1(67.5,66.7) 67.5,67.85 v1(67.1,68.25) 67.1,68.55 v1(66.9,68.75) 66.9,69.05 v1(67.1,69.25) 67.1,69.55 v1(66.9,69.75) 66.33,70.33 66.33,71.17 v1(65,72.5) 65,73.5 ; v1(67.5,66.7) v1(69.5,66.7) 69.5,67.85 v1(69.1,68.25) 69.1,68.55 v1(68.9,68.75) 68.9,69.05 v1(69.1,69.25) 69.1,69.55 v1(68.9,69.75) ; v1(106.1,40.6) 106.5,40.6 J12.1 v1(108.5,40.6) 108.5,38.4 107.7,37.6 v1(107.7,36.6) v1(106.9,36.6) ; v1(22.25,105.6) v1(23.75,105.6) ; v1(22.25,105.6) 22.25,105.5 ; 4.25,61.45 4.2,61.5 v1(3.02,61.5) ; 4.25,61.45 4.25,61.5 5.5,62.75 v1(5.5,66.75) v1(5.5,68.25) v1(5.5,69) ; v1(113.5,52.75) 113.5,51.75 v1(114.5,51.75) v1(114.5,47.75) ; 72,83 71.5,83 70.5,83 U9.W17 v1(67,80.5) ; 73.3,40.6 73.75,40.15 v1(73.75,39.5) ; 73.3,40.6 v1(72.9,40.6) ; 73.3,40.6 J8.1 J8.1 ; v1(117,47.75) v1(121,47.75) ; v1(117,47.75) v1(114.5,47.75) ; 119.38,30.12 J10.1 J12.1 ; 124.45,110.01 124.45,108.05 v1(123.5,107.1) ; 124.45,110.01 125.64,110.01 v1(125.65,110) 127.75,112.1 v1(127.75,112.25) 127.75,114 v1(129,115.25) v1(130.5,115.25) ; v1(66.2,109.25) 65.5,109.25 v1(64.25,108) ; J10.1 